# KiCad board RP2350pc_Rev_A.kicad_pcb
title: RP2350pc; date: 2025-03-28; rev: A; company: OLIMEX LTD.; note: https://www.olimex.com/
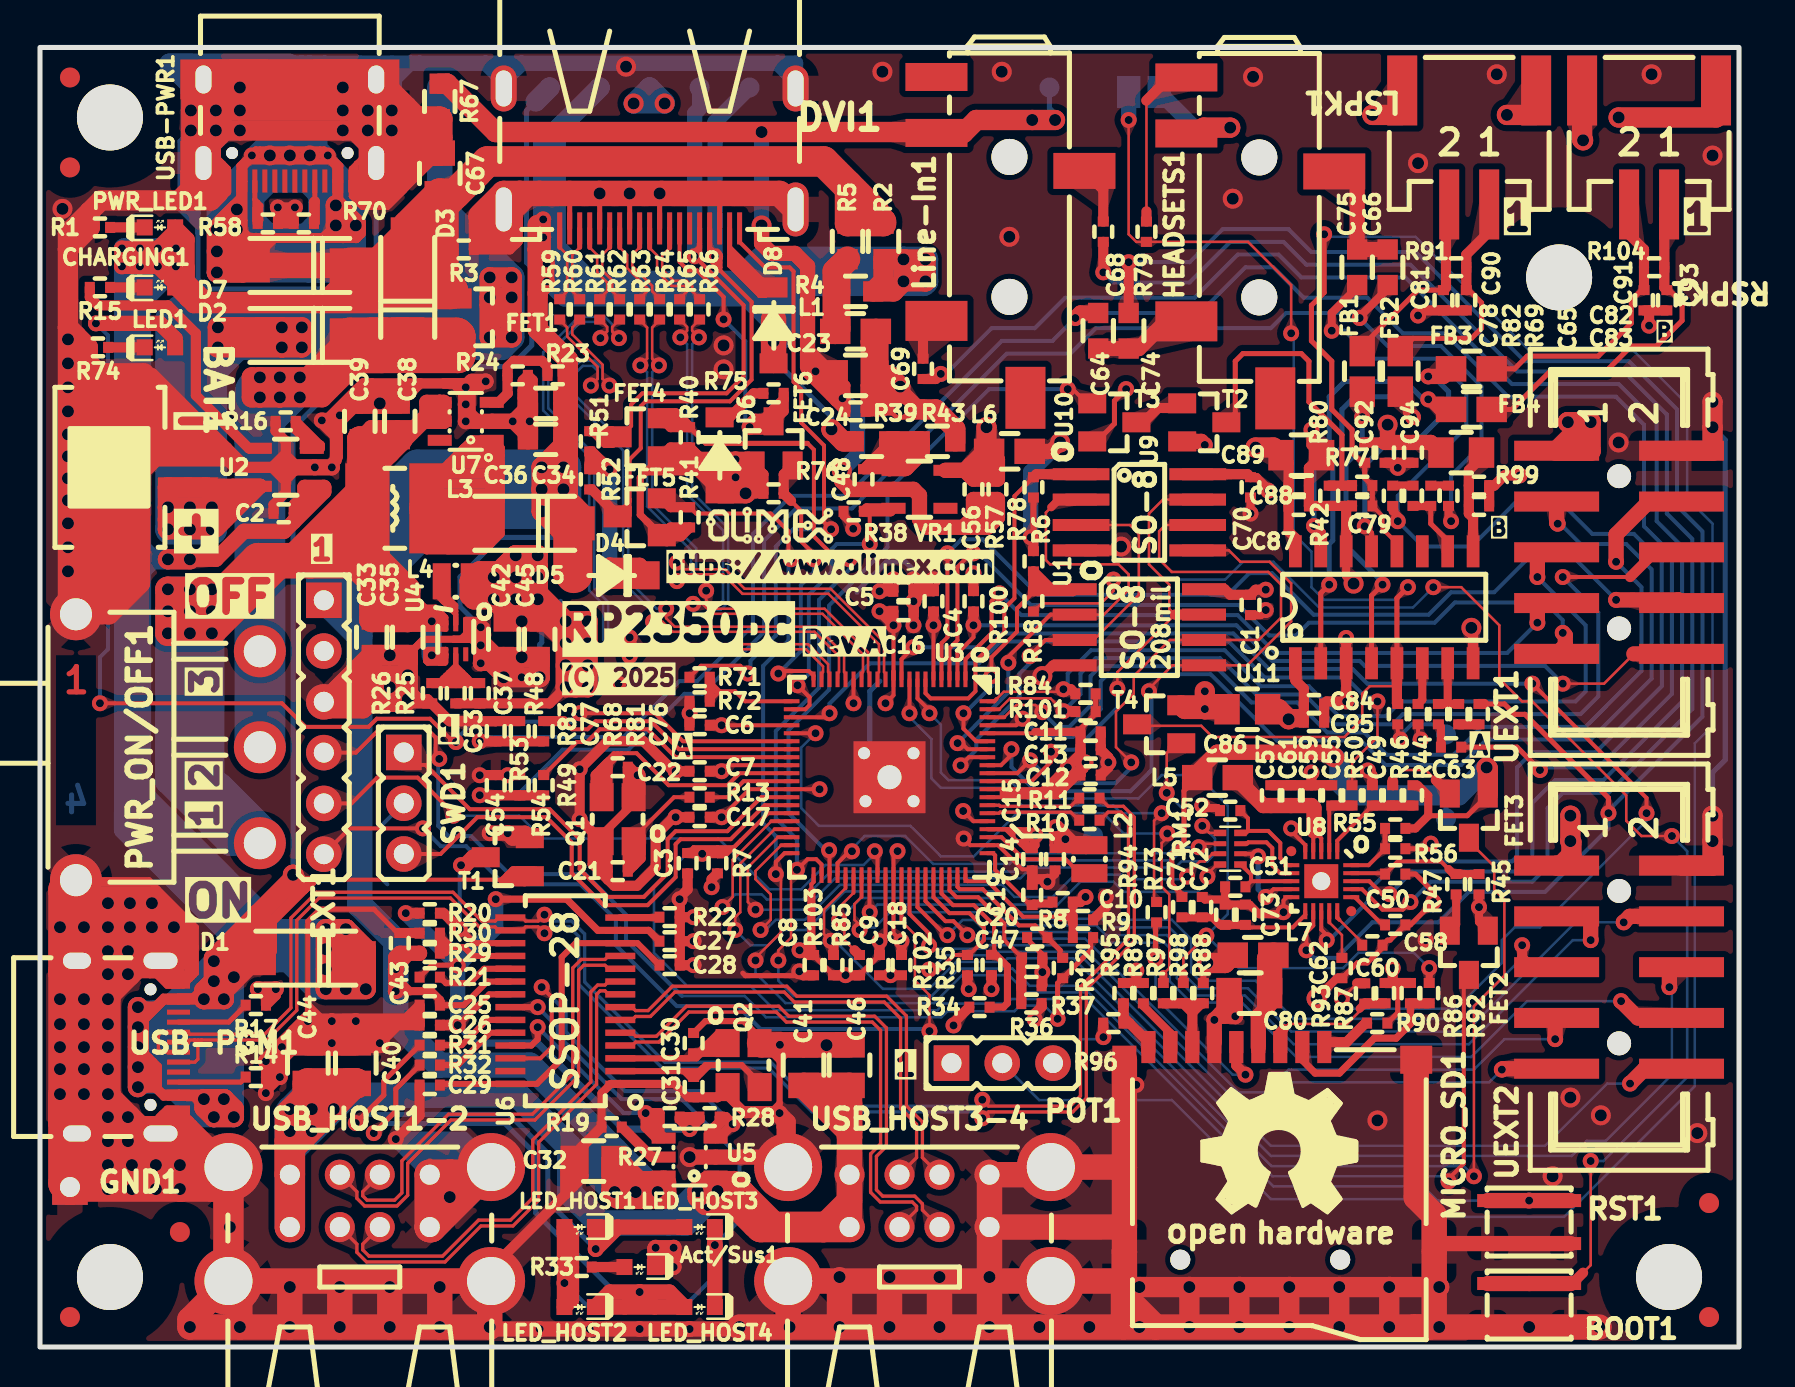
[diagram p0: board, top side]
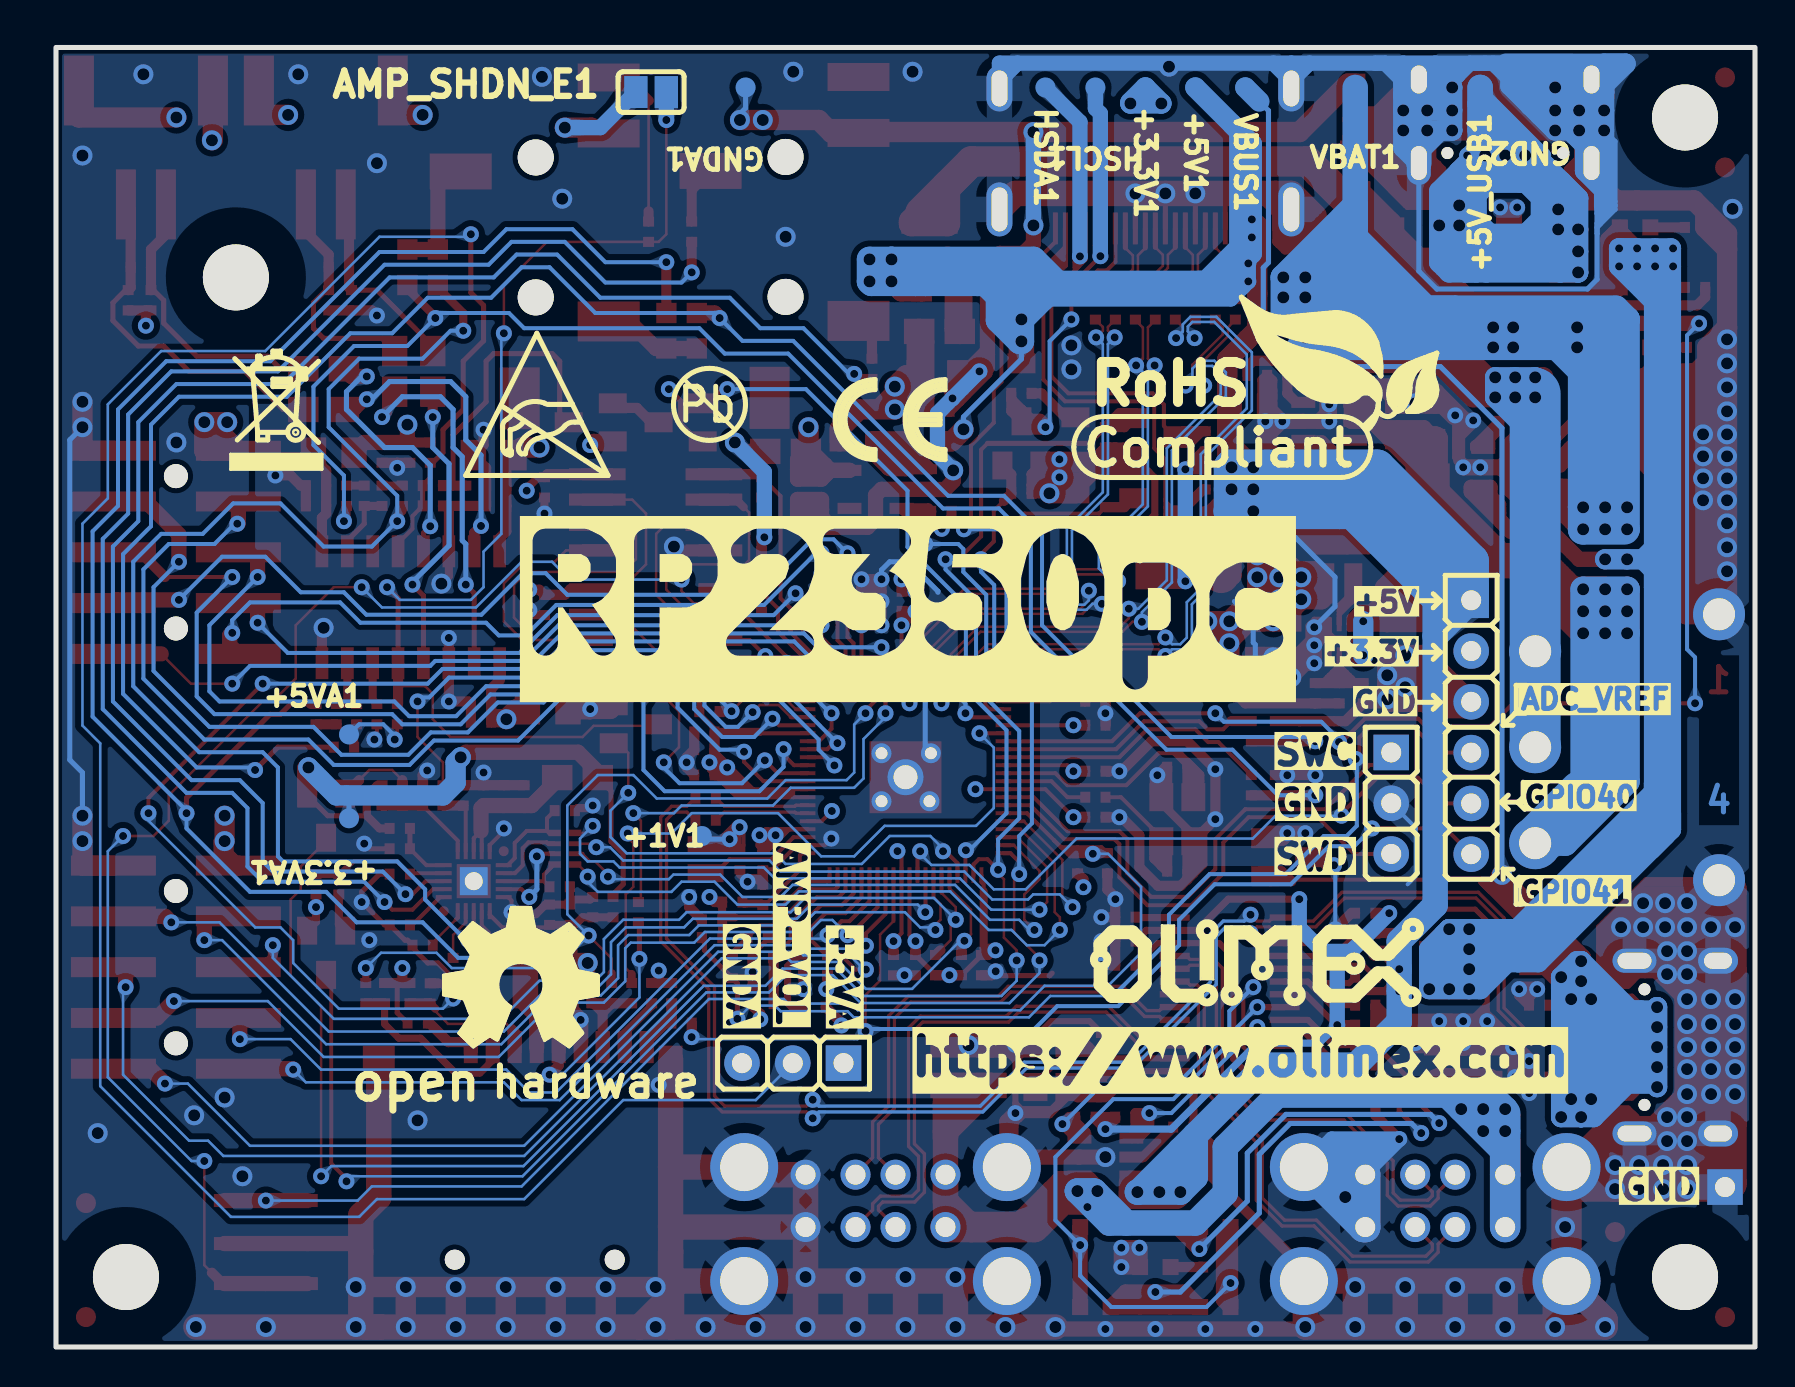
[diagram p1: board, bottom side, seen from below]

Outline 85 x 65 mm; copper layers: Top, In1.Cu, In2.Cu, Bottom. Coordinates in mm from the lower left corner of the outline.
Outline path: rectangle 0,65 85,0
Stack: Top 0.035mm / dielectric 0.127mm 2116 er 4.25 / In1.Cu 0.017mm / dielectric 1.2mm FR4 er 4.3 / In2.Cu 0.017mm / dielectric 0.127mm 2116 er 4.25 / Bottom 0.035mm

## Placement (name value [footprint] x y rotation side)
+1V1  TESTPAD  [TESTPAD_40-ROUND]  52.69 25.56 0 bottom
+3.3V1  TESTPAD  [TESTPAD_40-ROUND]  30.5 63 90 bottom
+3.3VA1  TESTPAD  [TESTPAD_40-ROUND]  70.34 26.45 180 bottom
+5V1  TESTPAD  [TESTPAD_40-ROUND]  28 63 90 bottom
+5V_USB1  TESTPAD  [TESTPAD_40-ROUND]  13.75 63 270 bottom
+5VA1  TESTPAD  [TESTPAD_40-ROUND]  70.34 30.64 0 bottom
Act/Sus1  LED/RED/0603  [LED_0603_KA]  30 4 180 top
AMP_SHDN_E1  Opened  [SJ]  55.23 62.77 0 bottom
BAT1  PH2.0-2AT  [PH2.0-2AT(BAT)]  3.5 44 270 top
BOOT1  -  [YTS-A016-X]  74.5 2.1 0 top
C1  100nF/10V/20%/X5R/C0402  [C_0402_5MIL_DWS]  60.56 37.12 90 top
C2  1uF/6.3V/10%/X5R/C0402  [C_0402_5MIL_DWS]  12.19 41.7 180 top
C3  NA(100nF/10V/20%/X5R/C0402)  [C_0402_5MIL_DWS]  32.4 24.2 270 top
C4  100nF/10V/20%/X5R/C0402  [C_0402_5MIL_DWS]  44.7 37.3 90 top
C5  100nF/10V/20%/X5R/C0402  [C_0402_5MIL_DWS]  43.2 37.8 0 top
C6  100nF/10V/20%/X5R/C0402  [C_0402_5MIL_DWS]  33 31.1 180 top
C7  100nF/10V/20%/X5R/C0402  [C_0402_5MIL_DWS]  33 28.8 180 top
C8  100nF/10V/20%/X5R/C0402  [C_0402_5MIL_DWS]  38.7 19.1 270 top
C9  100nF/10V/20%/X5R/C0402  [C_0402_5MIL_DWS]  42 19.1 270 top
C10  100nF/10V/20%/X5R/C0402  [C_0402_5MIL_DWS]  52.18 21.37 0 top
C11  100nF/10V/20%/X5R/C0402  [C_0402_5MIL_DWS]  52.56 30.77 0 top
C12  100nF/10V/20%/X5R/C0402  [C_0402_5MIL_DWS]  52.56 28.61 0 top
C13  100nF/10V/20%/X5R/C0402  [C_0402_5MIL_DWS]  52.56 29.88 0 top
C14  4.7uF/10V/20%/X5R/C0402  [C_0402_5MIL_DWS#2]  49.64 24.4 270 top
C15  4.7uF/10V/20%/X5R/C0402  [C_0402_5MIL_DWS#2]  50.78 24.4 270 top
C16  100nF/10V/20%/X5R/C0402  [C_0402_5MIL_DWS]  43.2 36.8 0 top
C17  4.7uF/10V/20%/X5R/C0402  [C_0402_5MIL_DWS]  33 26.5 180 top
C18  100nF/10V/20%/X5R/C0402  [C_0402_5MIL_DWS]  43.1 19.1 270 top
C19  4.7uF/10V/20%/X5R/C0402  [C_0402_5MIL_DWS]  49.64 22.61 90 top
C20  4.7uF/10V/20%/X5R/C0402  [C_0402_5MIL_DWS]  49.89 20.48 180 top
C21  27pF/50V/5%/C0G/C0402  [C_0402_5MIL_DWS]  28.9 23.8 180 top
C22  27pF/50V/5%/C0G/C0402  [C_0402_5MIL_DWS]  28.9 29 0 top
C23  47uF/6.3V/20%/X5R/C0805  [C_0805_5MIL_DWS]  40.8 48.6 180 top
C24  100nF/10V/20%/X5R/C0402  [C_0402_5MIL_DWS]  40.8 46.8 0 top
C25  10uF/6.3V/20%/X5R/C0402  [C_0402_5MIL_DWS]  19.5 17.1 180 top
C26  10uF/6.3V/20%/X5R/C0402  [C_0402_5MIL_DWS]  19.5 16.1 180 top
C27  100nF/10V/20%/X5R/C0402  [C_0402_5MIL_DWS]  31.5 20.3 0 top
C28  10uF/6.3V/20%/X5R/C0402  [C_0402_5MIL_DWS]  31.5 19.1 0 top
C29  100nF/10V/20%/X5R/C0402  [C_0402_5MIL_DWS]  19.5 13.1 180 top
C30  NA(27pF/50V/5%/C0G/C0402)  [C_0402_5MIL_DWS]  32.7 15.2 90 top
C31  NA(27pF/50V/5%/C0G/C0402)  [C_0402_5MIL_DWS]  32.7 13 270 top
C32  47uF/6.3V/20%/X5R/C0805  [C_0805_5MIL_DWS]  27.7 9.3 180 top
C33  NA(22uF/6.3V/20%/X5R/C0603)  [C_0603_5MIL_DWS]  16.6 35.5 270 top
C34  NA(22uF/6.3V/20%/X5R/C0603)  [C_0603_5MIL_DWS]  25.3 47.2 180 top
C35  22uF/6.3V/20%/X5R/C0603  [C_0603_5MIL_DWS]  18.4 35.5 270 top
C36  22uF/6.3V/20%/X5R/C0603  [C_0603_5MIL_DWS]  25.3 45.4 180 top
C37  NA(120pF/50V/5%/C0G/C0402)  [C_0402_5MIL_DWS]  22 32.7 270 top
C38  22uF/6.3V/20%/X5R/C0603  [C_0603_5MIL_DWS]  18 46.3 90 top
C39  NA(22uF/6.3V/20%/X5R/C0603)  [C_0603_5MIL_DWS]  16 46.3 90 top
C40  NA(47uF/6.3V/20%/X5R/C0805)  [C_0805_5MIL_DWS]  15.8 14.2 270 top
C41  NA(47uF/6.3V/20%/X5R/C0805)  [C_0805_5MIL_DWS]  38.2 14.1 270 top
C42  22uF/6.3V/20%/X5R/C0603  [C_0603_5MIL_DWS]  23.2 35.4 270 top
C43  100nF/10V/20%/X5R/C0402  [C_0402_5MIL_DWS]  18 20.2 270 top
C44  47uF/6.3V/20%/X5R/C0805  [C_0805_5MIL_DWS]  13.4 14.2 270 top
C45  NA(22uF/6.3V/20%/X5R/C0603)  [C_0603_5MIL_DWS]  25 35.4 270 top
C46  47uF/6.3V/20%/X5R/C0805  [C_0805_5MIL_DWS]  40.5 14.1 270 top
C47  100nF/10V/20%/X5R/C0402  [C_0402_5MIL_DWS]  49.64 19.46 180 top
C48  10uF/6.3V/20%/X5R/C0402  [C_0402_5MIL_DWS]  41.2 43.4 270 top
C49  20pF/50V/5%/NP0/C0402  [C_0402_5MIL_DWS]  66.66 27.59 90 top
C50  20pF/50V/5%/NP0/C0402  [C_0402_5MIL_DWS]  67.8 23.65 0 top
C51  27pF/50V/5%/C0G/C0402  [C_0402_5MIL_DWS]  59.8 23.02 180 top
C52  27pF/50V/5%/C0G/C0402  [C_0402_5MIL_DWS]  59.54 26.83 180 top
C53  100nF/10V/20%/X5R/C0402  [C_0402_5MIL_DWS]  22.8 30.8 90 top
C54  100nF/10V/20%/X5R/C0402  [C_0402_5MIL_DWS]  22.8 28.1 90 top
C55  27pF/50V/5%/C0G/C0402  [C_0402_5MIL_DWS]  64.62 27.59 90 top
C56  10uF/6.3V/20%/X5R/C0402  [C_0402_5MIL_DWS]  46.7 42.9 270 top
C57  NA(10uF/6.3V/20%/X5R/C0402)  [C_0402_5MIL_DWS]  61.58 27.59 90 top
C58  1uF/6.3V/10%/X5R/C0402  [C_0402_5MIL_DWS]  67.8 21.11 0 top
C59  100nF/10V/20%/X5R/C0402  [C_0402_5MIL_DWS]  63.61 27.59 90 top
C60  1uF/6.3V/10%/X5R/C0402  [C_0402_5MIL_DWS]  66.66 20.1 0 top
C61  100nF/10V/20%/X5R/C0402  [C_0402_5MIL_DWS]  62.59 27.59 90 top
C62  1uF/6.3V/10%/X5R/C0402  [C_0402_5MIL_DWS]  65.13 18.95 270 top
C63  1uF/6.3V/10%/X5R/C0402  [C_0402_5MIL_DWS]  70.59 30 180 top
C64  22uF/6.3V/20%/X5R/C0603  [C_0603_5MIL_DWS]  52.94 50.83 270 top
C65  1uF/6.3V/10%/X5R/C0402  [C_0402_5MIL_DWS]  70.47 42.58 90 top
C66  22uF/6.3V/20%/X5R/C0603  [C_0603_5MIL_DWS]  67.42 54.01 90 top
C67  NA(47uF/6.3V/20%/X5R/C0805)  [C_0805_5MIL_DWS]  20 58.7 270 top
C68  1uF/6.3V/10%/X5R/C0402  [C_0402_5MIL_DWS]  53.19 55.78 270 top
C69  1uF/6.3V/10%/X5R/C0402  [C_0402_5MIL_DWS]  44.18 48.93 270 top
C70  100nF/10V/20%/X5R/C0402  [C_0402_5MIL_DWS]  60.56 43 90 top
C71  10uF/6.3V/20%/X5R/C0402  [C_0402_5MIL_DWS]  58.15 22 90 top
C72  1uF/6.3V/10%/X5R/C0402  [C_0402_5MIL_DWS]  59.29 21.62 90 top
C73  100nF/10V/20%/X5R/C0402  [C_0402_5MIL_DWS]  60.31 21.62 270 top
C74  22uF/6.3V/20%/X5R/C0603  [C_0603_5MIL_DWS]  54.47 50.83 90 top
C75  22uF/6.3V/20%/X5R/C0603  [C_0603_5MIL_DWS]  65.9 54.01 270 top
C76  1uF/6.3V/10%/X5R/C0402  [C_0402_5MIL_DWS]  71.99 31.66 90 top
C77  1uF/6.3V/10%/X5R/C0402  [C_0402_5MIL_DWS]  68.94 31.66 270 top
C78  1uF/6.3V/10%/X5R/C0402  [C_0402_5MIL_DWS]  67.67 42.58 270 top
C79  1uF/6.3V/10%/X5R/C0402  [C_0402_5MIL_DWS]  66.15 42.07 180 top
C80  47uF/6.3V/20%/X5R/C0805  [C_0805_5MIL_DWS]  60.5 17.7 180 top
C81  270pF/50V/5%/C0G/C0402  [C_0402_5MIL_DWS]  70.21 52.36 270 top
C82  1uF/6.3V/10%/X5R/C0402  [C_0402_5MIL_DWS]  71.99 43.08 180 top
C83  100nF/10V/20%/X5R/C0402  [C_0402_5MIL_DWS]  71.99 42.07 180 top
C84  1uF/6.3V/10%/X5R/C0402  [C_0402_5MIL_DWS]  63.74 32.16 180 top
C85  10uF/6.3V/20%/X5R/C0402  [C_0402_5MIL_DWS]  63.74 31.25 0 top
C86  NA(47uF/6.3V/20%/X5R/C0805)  [C_0805_5MIL_DWS]  60.4 31.9 0 top
C87  1uF/6.3V/10%/X5R/C0402  [C_0402_5MIL_DWS]  62.97 42.07 180 top
C88  10uF/6.3V/20%/X5R/C0402  [C_0402_5MIL_DWS]  62.97 43.08 0 top
C89  NA(47uF/6.3V/20%/X5R/C0805)  [C_0805_5MIL_DWS]  63.1 44.61 180 top
C90  270pF/50V/5%/C0G/C0402  [C_0402_5MIL_DWS]  71.36 52.36 90 top
C91  270pF/50V/5%/C0G/C0402  [C_0402_5MIL_DWS]  80.25 52.36 270 top
C92  NA(1uF/6.3V/10%/X5R/C0402)  [C_0402_5MIL_DWS]  67.29 44.74 90 top
C93  270pF/50V/5%/C0G/C0402  [C_0402_5MIL_DWS]  81.39 52.36 90 top
C94  NA(100nF/10V/20%/X5R/C0402)  [C_0402_5MIL_DWS]  68.69 44.74 90 top
CHARGING1  LED/YELLOW/0603  [LED_0603_KA]  6 53 0 top
D1  1N5822/SS34/SMA  [SMA-KA]  13.3 19.45 180 top
D2  1N5822/SS34/SMA  [SMA-KA]  13 50.6 180 top
D3  1N5822/SS34/SMA  [SMA-KA]  18.4 53 90 top
D4  1N5822/SS34/SMA  [SMA-KA]  24.25 41.2 180 top
D5  1N5819S4/SOD123  [SOD-123_1C-2A_KA]  28.6 38.6 180 top
D6  1N5819S4/SOD123  [SOD-123_1C-2A_KA]  34 44.6 270 top
D7  NA(1N5822/SS34/SMA)  [SMA-KA]  13 54.1 180 top
D8  1N5819S4/SOD123  [SOD-123_1C-2A_KA]  36.7 51.1 270 top
DVI1  HDMI-SWM-19  [HDMI-SWM-19_Paste]  30.5 61.5 0 top
EXT1  NA(HN1x6)  [HN1x6]  14.2 31 270 top
FB1  FB0805/600R/2A  [L_0805_5MIL_DWS]  66.15 48.8 270 top
FB2  FB0805/600R/2A  [L_0805_5MIL_DWS]  68.05 48.8 270 top
FB3  FB0805/600R/2A  [L_0805_5MIL_DWS]  71.61 48.93 180 top
FB4  FB0805/600R/2A  [L_0805_5MIL_DWS]  71.61 46.89 180 top
FET1  IRLML6402TRPbF  [SOT23]  22 51.5 180 top
FET2  BSS138(SOT23-3)  [SOT23]  71.48 19.72 90 top
FET3  BSS138(SOT23-3)  [SOT23]  71.48 26.58 90 top
FET4  BSS138(SOT23-3)  [SOT23]  30 45.5 0 top
FET5  BSS138(SOT23-3)  [SOT23]  30 41.5 0 top
FET6  BSS138(SOT23-3)  [SOT23]  36.7 45.2 270 top
FID1  Fiducial  [Fiducial1x3_Paste]  7 5.75 0 top
FID2  Fiducial  [Fiducial1x3_Paste]  1.5 59 0 top
FID3  Fiducial  [Fiducial1x3_Paste]  83.5 7.2 0 top
FID4  Fiducial  [Fiducial1x3]  1.5 1.5 180 top
FID5  Fiducial  [Fiducial1x3]  1.5 63.5 180 top
FID6  Fiducial  [Fiducial1x3]  83.5 1.5 180 top
GND1  TESTPAD  [TEST_PAD40x70_SQUARE]  1.5 8 180 top
GND2  TESTPAD  [TESTPAD_40-ROUND]  11.25 63 180 bottom
GNDA1  TESTPAD  [TESTPAD_40-ROUND]  50.5 63 180 bottom
HEADSETS1  PJ-W47S-05D2-LF  [PJ-W47S-05D2-LF_5PIN_V2_LongerPads]  61 56.5 270 top
HSCL1  TESTPAD  [TESTPAD_40-ROUND]  33 63 180 bottom
HSDA1  TESTPAD  [TESTPAD_40-ROUND]  35.5 63 90 bottom
L1  FB0805/600R/2A  [L_0805_5MIL_DWS]  40.8 50.8 0 top
L2  3.3uH/2.0A/DCR=140mR/20%/2.00x1.60x1.00mm/L2016(PIM201610-3R3MTS00)  [L_2016_MM]  52.5 24.4 270 top
L3  4.7uH/2.33A/DCR=70mR/20%/CD43(NRS4018T4R7MDGJ)  [CD42(43)]  17.75 41.95 180 top
L4  1.0uH/4.2A/DCR=35mR/20%/2.00x1.60x1.00mm/L2016(PIM201610-1R0MTS00)  [L_2016_MM]  20.8 38.3 180 top
L5  FB0805/600R/2A  [L_0805_5MIL_DWS]  58.91 28.48 0 top
L6  NA(FB0805/600R/2A)  [L_0805_5MIL_DWS]  48.5 44.8 180 top
L7  FB0805/600R/2A  [L_0805_5MIL_DWS]  60.69 19.6 0 top
LED1  LED/GREEN/0603  [LED_0603_KA]  6 50 0 top
LED_HOST1  LED/GREEN/0603  [LED_0603_KA]  27 6 180 top
LED_HOST2  LED/GREEN/0603  [LED_0603_KA]  27 2 180 top
LED_HOST3  LED/GREEN/0603  [LED_0603_KA]  33 6 180 top
LED_HOST4  LED/GREEN/0603  [LED_0603_KA]  33 2 180 top
Line-In1  PJ-W47S-05D2-LF  [PJ-W47S-05D2-LF_5PIN_V2_LongerPads]  48.5 56.53 270 top
Logo_OLIMEX_80  -  [Logo_OLIMEX_80]  36.5 41.1 0 top
Logo_OLIMEX_TB  -  [Logo_OLIMEX_TB]  24.75 19.25 180 bottom
LSPK1  -  [PH2.0-2PWB]  71.5 60.25 180 top
MH1  Drill(3.3mm)/Restrict(7.00mm)  [Mounting_Hole_Drill-3.3mm_Clerance-7mm]  3.5 3.5 0 top
MH2  Drill(3.3mm)/Restrict(7.00mm)  [Mounting_Hole_Drill-3.3mm_Clerance-7mm]  3.5 61.5 0 top
MH3  Drill(3.3mm)/Restrict(7.00mm)  [Mounting_Hole_Drill-3.3mm_Clerance-7mm]  76 53.5 0 top
MH4  Drill(3.3mm)/Restrict(7.00mm)  [Mounting_Hole_Drill-3.3mm_Clerance-7mm]  81.5 3.5 0 top
MICRO_SD1  TFC-WPAPR-08-LF  [TFC-WPAPR-08]  62 8 270 top
POT1  NA(HN1x3)  [HN1x3]  48.14 14.2 0 top
PWR_LED1  LED/RED/0603  [LED_0603_KA]  6 56 0 top
PWR_ON/OFF1  -  [SS-12D11G5]  11 30 90 top
Q1  Q12MHz/18pF/30ppm/4P/3.2x2.5mm(ABM8-12.000MHZ-D2Y-T)  [TSX-3.2x2.5mm_GND(3)]  28.9 26.4 90 top
Q2  Q12MHz/18pF/30ppm/4P/3.2x2.5mm(ABM8-12.000MHZ-D2Y-T)  [TSX-3.2x2.5mm_GND(3)]  35.2 14.1 270 top
R1  2.2k/R0402  [R_0402_5MIL_DWS]  3 56 180 top
R2  NA(0R/R0603)  [R_0603_5MIL_DWS]  42.2 55.3 270 top
R3  10k/R0402  [R_0402_5MIL_DWS]  21.2 54.9 0 top
R4  0R/R0603  [R_0603_5MIL_DWS]  40.8 52.8 180 top
R5  NA(0R/R0603)  [R_0603_5MIL_DWS]  40.4 55.3 270 top
R6  10k/R0402  [R_0402_5MIL_DWS]  49.7 39.3 270 top
R7  NA(10k/R0402)  [R_0402_5MIL_DWS]  33.89 24.2 90 top
R8  33R/R0402  [R_0402_5MIL_DWS]  51.16 22.26 180 top
R9  200R/1%/R0402  [R_0402_5MIL_DWS]  52.18 20.48 0 top
R10  27R/R0402  [R_0402_5MIL_DWS]  52.5 26.35 180 top
R11  27R/R0402  [R_0402_5MIL_DWS]  52.5 27.45 180 top
R12  1.3R/1%/R0402  [R_0402_5MIL_DWS]  51.16 18.95 90 top
R13  1k/R0402  [R_0402_5MIL_DWS]  33 27.5 0 top
R14  5.1k/1%/R0402  [R_0402_5MIL_DWS]  10.8 13.5 180 top
R15  2.2k/R0402  [R_0402_5MIL_DWS]  3 53 180 top
R16  10k/R0402  [R_0402_5MIL_DWS]  12.29 46.3 180 top
R17  5.1k/1%/R0402  [R_0402_5MIL_DWS]  10.8 17.1 180 top
R18  1k/R0402  [R_0402_5MIL_DWS]  49.7 37.3 270 top
R19  49.9k/1%/R0402  [R_0402_5MIL_DWS]  28.6 11 0 top
R20  10k/R0402  [R_0402_5MIL_DWS]  19.5 21.7 0 top
R21  10k/R0402  [R_0402_5MIL_DWS]  19.5 18.5 0 top
R22  2.7k/1%/R0402  [R_0402_5MIL_DWS]  31.5 21.5 180 top
R23  8.25k/1%/R0402  [R_0402_5MIL_DWS]  25.9 48.6 180 top
R24  1.05k/1%/R0402  [R_0402_5MIL_DWS]  23.9 48.6 0 top
R25  220k/R0402  [R_0402_5MIL_DWS]  20.8 32.7 270 top
R26  49.9k/1%/R0402  [R_0402_5MIL_DWS]  19.6 32.7 270 top
R27  10k/R0402  [R_0402_5MIL_DWS]  31.5 11.5 0 top
R28  10k/R0402  [R_0402_5MIL_DWS]  33.5 11.5 180 top
R29  4.7k/R0402  [R_0402_5MIL_DWS]  19.5 19.7 180 top
R30  10k/R0402  [R_0402_5MIL_DWS]  19.5 20.7 180 top
R31  2.2k/R0402  [R_0402_5MIL_DWS]  19.5 15.1 180 top
R32  2.2k/R0402  [R_0402_5MIL_DWS]  19.5 14.1 180 top
R33  2.2k/R0402  [R_0402_5MIL_DWS]  27.1 4 0 top
R34  2.2k/R0402  [R_0402_5MIL_DWS]  47 17 0 top
R35  4.7k/R0402  [R_0402_5MIL_DWS]  47.6 19.11 270 top
R36  470k/R0402  [R_0402_5MIL_DWS]  49.6 17.18 180 top
R37  470k/R0402  [R_0402_5MIL_DWS]  49.6 18.07 0 top
R38  4.7k/R0402  [R_0402_5MIL_DWS]  40.71 41.8 0 top
R39  NA(0R/R0603)  [R_0603_5MIL_DWS]  41.6 45.3 0 top
R40  2.2k/R0402  [R_0402_5MIL_DWS]  32.5 45.5 90 top
R41  2.2k/R0402  [R_0402_5MIL_DWS]  32.5 41.5 90 top
R42  1k/R0402  [R_0402_5MIL_DWS]  64.5 42.58 270 top
R43  0R/R0603  [R_0603_5MIL_DWS]  44.9 45.3 180 top
R44  2.2k/R0402  [R_0402_5MIL_DWS]  68.69 27.59 90 top
R45  2.2k/R0402  [R_0402_5MIL_DWS]  71.99 23.15 270 top
R46  33R/R0402  [R_0402_5MIL_DWS]  67.67 27.59 90 top
R47  33R/R0402  [R_0402_5MIL_DWS]  70.85 23.15 270 top
R48  270R/R0402  [R_0402_5MIL_DWS]  25.2 30.8 90 top
R49  270R/R0402  [R_0402_5MIL_DWS]  25.2 28.1 90 top
R50  33R/R0402  [R_0402_5MIL_DWS]  65.64 27.59 90 top
R51  2.2k/R0402  [R_0402_5MIL_DWS]  27.5 45.3 270 top
R52  2.2k/R0402  [R_0402_5MIL_DWS]  27.5 43.4 90 top
R53  150R/R0402  [R_0402_5MIL_DWS]  24 30.8 90 top
R54  150R/R0402  [R_0402_5MIL_DWS]  24 28.1 90 top
R55  NA/R0402  [R_0402_5MIL_DWS]  67.8 25.94 0 top
R56  10k/R0402  [R_0402_5MIL_DWS]  67.8 24.92 0 top
R57  10k/R0402  [R_0402_5MIL_DWS]  47.9 42.9 270 top
R58  5.1k/1%/R0402  [R_0402_5MIL_DWS]  11.4 56.2 180 top
R59  270R/R0402  [R_0402_5MIL_DWS]  26 51.9 90 top
R60  270R/R0402  [R_0402_5MIL_DWS]  27 51.9 90 top
R61  270R/R0402  [R_0402_5MIL_DWS]  28 51.9 90 top
R62  270R/R0402  [R_0402_5MIL_DWS]  29 51.9 90 top
R63  270R/R0402  [R_0402_5MIL_DWS]  30 51.9 90 top
R64  270R/R0402  [R_0402_5MIL_DWS]  31 51.9 90 top
R65  270R/R0402  [R_0402_5MIL_DWS]  32 51.9 90 top
R66  270R/R0402  [R_0402_5MIL_DWS]  33 51.9 90 top
R67  0R/R0603  [R_0603_5MIL_DWS]  20 62.3 90 top
R68  10k/R0402  [R_0402_5MIL_DWS]  69.96 31.66 90 top
R69  10k/R0402  [R_0402_5MIL_DWS]  69.58 42.58 270 top
R70  5.1k/1%/R0402  [R_0402_5MIL_DWS]  13.2 56.2 0 top
R71  2.2k/R0402  [R_0402_5MIL_DWS]  33 33.5 0 top
R72  4.7k/R0402  [R_0402_5MIL_DWS]  33 32.3 180 top
R73  10R/R0402  [R_0402_5MIL_DWS]  57.13 22 270 top
R74  2.2k/R0402  [R_0402_5MIL_DWS]  2.9 50 180 top
R75  27k/R0402  [R_0402_5MIL_DWS]  36.7 47.7 180 top
R76  2.2k/R0402  [R_0402_5MIL_DWS]  36.7 42.7 0 top
R77  10k/R0402  [R_0402_5MIL_DWS]  66.15 43.08 0 top
R78  10k/R0402  [R_0402_5MIL_DWS]  49.7 43 90 top
R79  33R/R0402  [R_0402_5MIL_DWS]  55.35 55.78 270 top
R80  220k/R0402  [R_0402_5MIL_DWS]  66.28 44.74 90 top
R81  10k/R0402  [R_0402_5MIL_DWS]  70.97 31.66 270 top
R82  10k/R0402  [R_0402_5MIL_DWS]  68.69 42.58 90 top
R83  27k/R0402  [R_0402_5MIL_DWS]  67.93 31.66 90 top
R84  2.2k/R0402  [R_0402_5MIL_DWS]  52.31 32.67 180 top
R85  2.2k/R0402  [R_0402_5MIL_DWS]  41 19.1 90 top
R86  4.7k/R0402  [R_0402_5MIL_DWS]  68.56 17.7 270 top
R87  4.7k/R0402  [R_0402_5MIL_DWS]  67.29 17.7 270 top
R88  4.7k/R0402  [R_0402_5MIL_DWS]  58.2 17.7 270 top
R89  4.7k/R0402  [R_0402_5MIL_DWS]  55.2 17.7 270 top
R90  4.7k/R0402  [R_0402_5MIL_DWS]  66.9 16.2 180 top
R91  1k/R0402  [R_0402_5MIL_DWS]  70.85 54.01 0 top
R92  33R/R0402  [R_0402_5MIL_DWS]  69.5 17.7 270 top
R93  33R/R0402  [R_0402_5MIL_DWS]  66.28 17.69 270 top
R94  33R/R0402  [R_0402_5MIL_DWS]  55.86 21.75 270 top
R95  NA(4.7k/R0402)  [R_0402_5MIL_DWS]  54.2 17.7 270 top
R96  NA(33R/R0402)  [R_0402_5MIL_DWS]  53.7 16.2 0 top
R97  33R/R0402  [R_0402_5MIL_DWS]  56.2 17.7 270 top
R98  NA(33R/R0402)  [R_0402_5MIL_DWS]  57.2 17.7 270 top
R99  100R/R0805  [R_0805_5MIL_DWS]  71.1 44.74 180 top
R100  NA(10k/R0402)  [R_0402_5MIL_DWS]  46.7 37.3 90 top
R101  2.2k/R0402  [R_0402_5MIL_DWS]  52.31 31.78 0 top
R102  NA(10k/R0402)  [R_0402_5MIL_DWS]  46.4 19.1 270 top
R103  2.2k/R0402  [R_0402_5MIL_DWS]  39.7 19.1 270 top
R104  1k/R0402  [R_0402_5MIL_DWS]  80.75 54.01 0 top
RM1  RA0805_(4X0402)_33R  [RA0805_(4X0402)_xx_BIGGEROUTPADS]  59.54 24.92 270 top
RSPK1  -  [PH2.0-2PWB]  80.5 60.25 180 top
RST1  -  [YTS-A016-X]  74.5 6.25 0 top
Sign_Antistatic  -  [Sign_Antistatic]  64.5 43.59 180 bottom
Sign_CE  -  [CE_Sign]  42.27 46.39 180 bottom
Sign_OSHW_8x8  -  [Sign_OSHW_8x8]  61.75 18 180 bottom
Sign_OSHW_8x8-Top  -  [Sign_OSHW_8x8]  61.99 9.7 0 top
Sign_PB-Free  -  [Sign_PB-Free]  52.51 47.46 0 bottom
Sign_RecycleBin  Sign_RecycleBin  [Sign_RecycleBin_1]  76.31 43.85 180 bottom
Sign_RoHS  Sign_RoHS  [Sign_RoHS_1]  33.06 44.13 180 bottom
SWD1  NA(HN1x3)  [HN1x3]  18.2 27.2 270 top
T1  LMUN2235LT1G(SOT-23)  [SOT23]  23.4 24.5 0 top
T2  LMUN2111LT1G(SOT-23)  [SOT23]  58.25 46.25 180 top
T3  LMUN2235LT1G(SOT-23)  [SOT23]  53.75 46.25 180 top
T4  LMUN2235LT1G(SOT-23)  [SOT23]  55.99 31.15 0 top
U1  W25Q128JVSIQ(SOIC-8_208mils)  [SO-8_208mil]  55 36 270 top
U2  TP4054-42-SOT25-R(SOT23-5)  [SOT-23-5]  12.3 44 180 top
U3  RP2350B(QFN-80_10.00x10.00x0.90mm_P0.4mm)  [QFN-80_10.00x10.00x0.90mm_P0.4mm]  42.5 28.5 180 top
U4  TPS62A02ADRLR(SOT-563-6)  [SOT-563-6]  20.8 35.4 90 top
U5  CH217K(SOT23-6L)  [SOT23-6]  32.5 9.5 0 top
U6  FE1.1s(SSOP-28)  [SSOP28_10x4mm_Pitch_0.64mm]  26.28 17.32 90 top
U7  MT3608(SOT23-6)  [SOT23-6]  21.3 46.3 0 top
U8  ES8311(QFN-20)  [QFN-20_EP(21)_3x3x0.6mm_Pitch_0.4mm]  64.1 23.3 180 top
U9  NA(W25Q128JVSIQ(SOIC-8_208mils))  [SO-8_208mil]  55 41.75 270 top
U10  APS6404L-3SQR-SN(SOIC-8_150mils)  [SO-8]  55 41.75 270 top
U11  PAM8003DR(SO-16)  [SO-16]  67.25 37 0 top
UEXT1  P-B-V-10-LF  [GBH-254-SMT-10]  79 39.75 270 top
UEXT2  P-B-V-10-LF  [GBH-254-SMT-10]  79 19 270 top
USB-PGM1  USB-C-16P-F(A40-00119-A52-12)  [USB2.0_TYPE-C(A40-00119-A52-12)_Paste]  3 15 180 top
USB-PWR1  USB-C-16P-F(A40-00119-A52-12)  [USB2.0_TYPE-C(A40-00119-A52-12)_Paste]  12.5 62.25 90 top
USB_HOST1-2  USBB1-FRWH-4A(USB-Ax2)  [USB_TWO_LEVEL]  16 6 0 top
USB_HOST3-4  USBB1-FRWH-4A(USB-Ax2)  [USB_TWO_LEVEL]  44 6 0 top
VBAT1  TESTPAD  [TESTPAD_40-ROUND]  20 63 0 bottom
VBUS1  TESTPAD  [TESTPAD_40-ROUND]  25.5 63 90 bottom
VR1  AP1231-3.3V(SOT23-5)  [SOT-23-5]  44 42.9 180 top

## Library data of the parts
+1V1 +3.3V1 +3.3VA1 +5V1 +5V_USB1 +5VA1 GND1 GND2 GNDA1 POT1 R1-R38 R40 R41 R44-R67 R70-R72 R74-R76 R78 R79 R83-R104 VBAT1 VBUS1 = -: Sim.Enable: 0
BAT1 L2 L4 LSPK1 RSPK1 = -: Note: PB-Free
DVI1 = -: Description: HDMI Female Connector SMD; Note: PB-Free
EXT1 = -: Description: 2.54mm(.100") Single Row Pin Headers; Note: PB-Free
HEADSETS1 Line-In1 = -: Description: 3.5mm Audio Stereo Jack SMD; Note: PB-Free
MICRO_SD1 = -: Description: MICRO SD Card Connector; Note: PB-Free
PWR_ON/OFF1 = -: Description: 100MΩ 250gf 500mA 30V Plugin Push Switches - Horizontal Type ROHS; Note: PB-Free; Sim.Enable: 0
T1 T3 T4 = -: Description: NPN Silicon Surface Mount Transistor with Monolithic Bias Resistor Network; Note: PB-Free
T2 = -: Description: PNP Silicon Surface Mount Transistors with Monolithic Bias Resistor Network; Note: PB-Free
U2 = -: Description: 800mA Standalone Linear Li-Ion Battery Charger with Thermal Regulation in SOT23-5/TSOT23-5; Note: PB-Free
U3 = -: Description: RP2350 is a new family of microcontrollers from Raspberry Pi that offers significant enhancements over RP2040. Dual Cortex-M33 or Hazard3 processors at 150 MHz.; Note: PB-Free
U4 = -: Description: 2-A High-Efficiency Synchronous Buck Converters in a SOT563 Package; Note: PB-Free; Field5: PB-Free
U5 = -: Description: USB Current limiting Power Distribution Switch Chip CH217; Note: PB-Free
U6 = -: Description: USB2.0 protocol compliant 4-port USB HUB controller chip.
U7 = -: Description: High Efficiency 1.2MHz 2A Step Up Converter; Note: PB-Free
U8 = -: Description: Low Power Mono Audio CODEC; Note: PB-Free
U11 = -: Description: The PAM8003 is a 2.5W, Class-D audio amplifier.; Note: PB-Free
UEXT1 UEXT2 = -: Description: Connector 10 pins 2x5; Note: PB-Free
USB_HOST1-2 USB_HOST3-4 = -: Description: USB2.0 A type Connector Host*2, usb socket 2x01 dip 90 a type; Note: PB-Free
VR1 = -: Description: 150mA CMOS LDO; Note: PB-Free
